# Altium PCB PCB1.PcbDoc
Units mil, origin at the board's own origin, x right, y up, seen from the top; angles counter-clockwise.
Board outline 4416 x 1070 mil, 4 copper layers (Top Layer, GND, VCC, Bottom Layer), stack 30.634 mil thick; 116 components, 80 nets, 446 pads, 149 vias.
Unrouted connection lines stored in the file: 9.
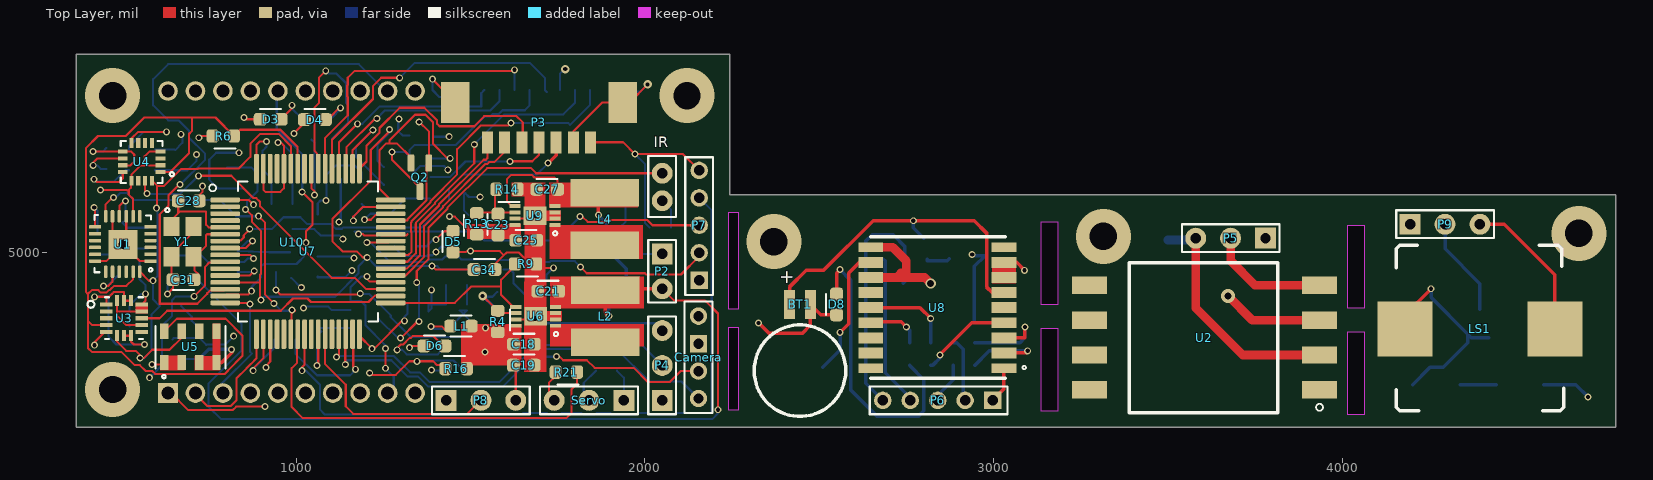
[diagram p0: Top Layer view]
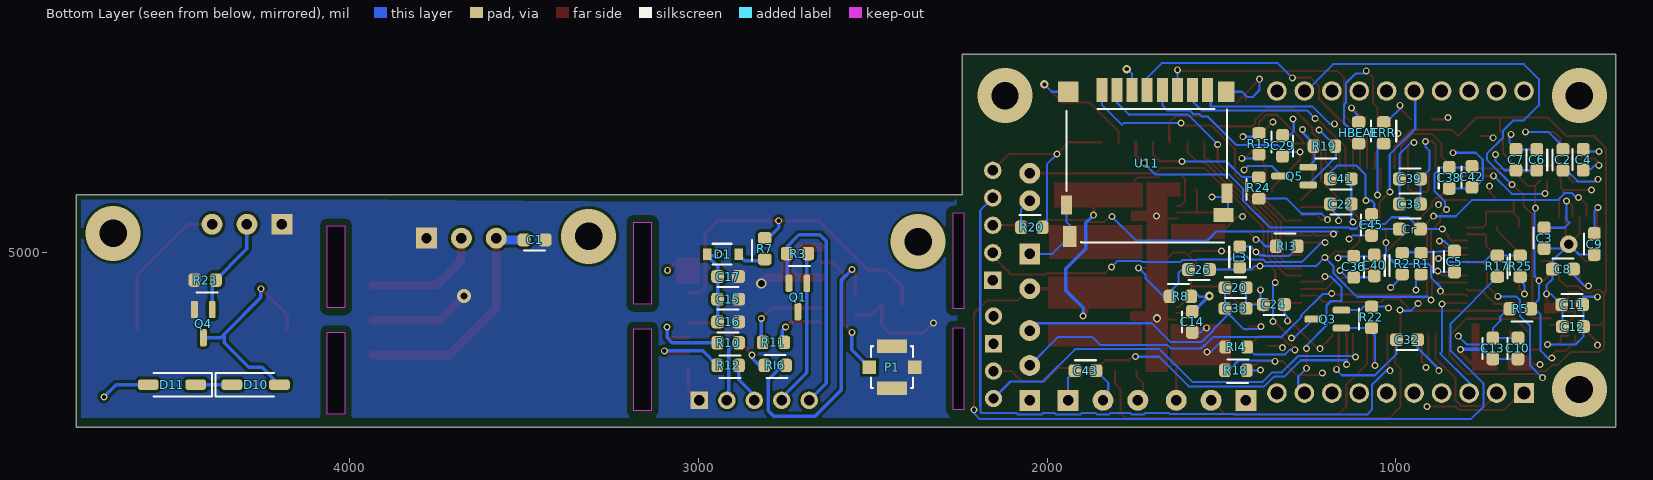
[diagram p1: Bottom Layer view, seen from below]
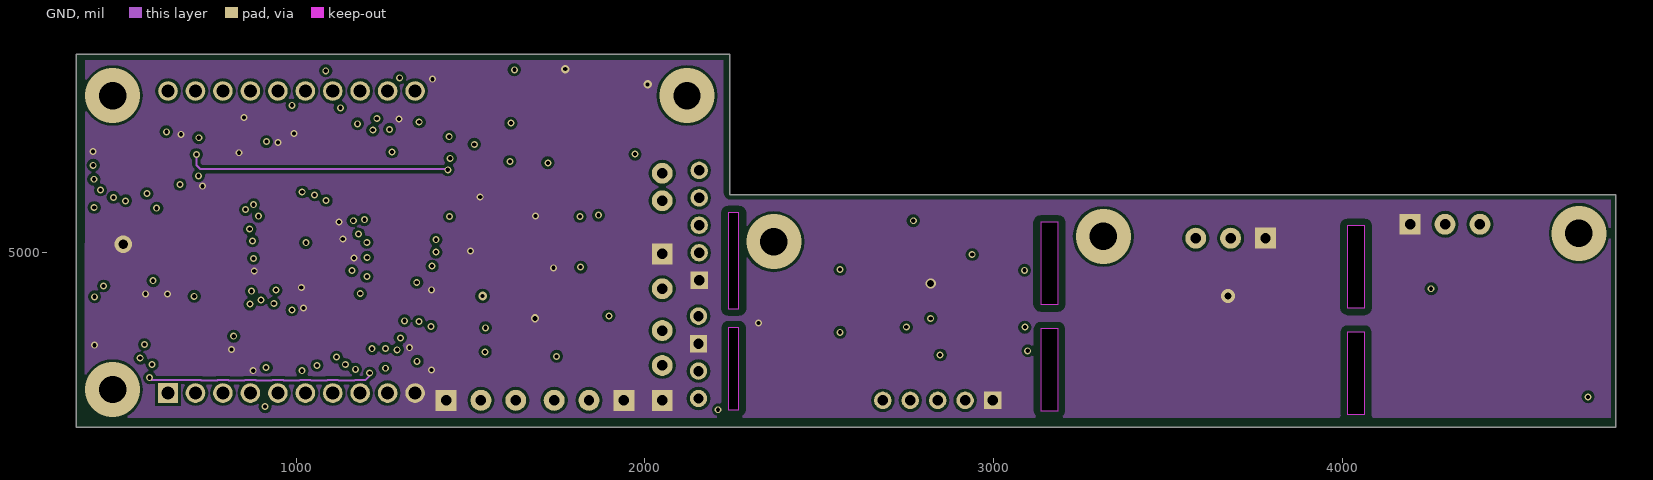
[diagram p2: GND]
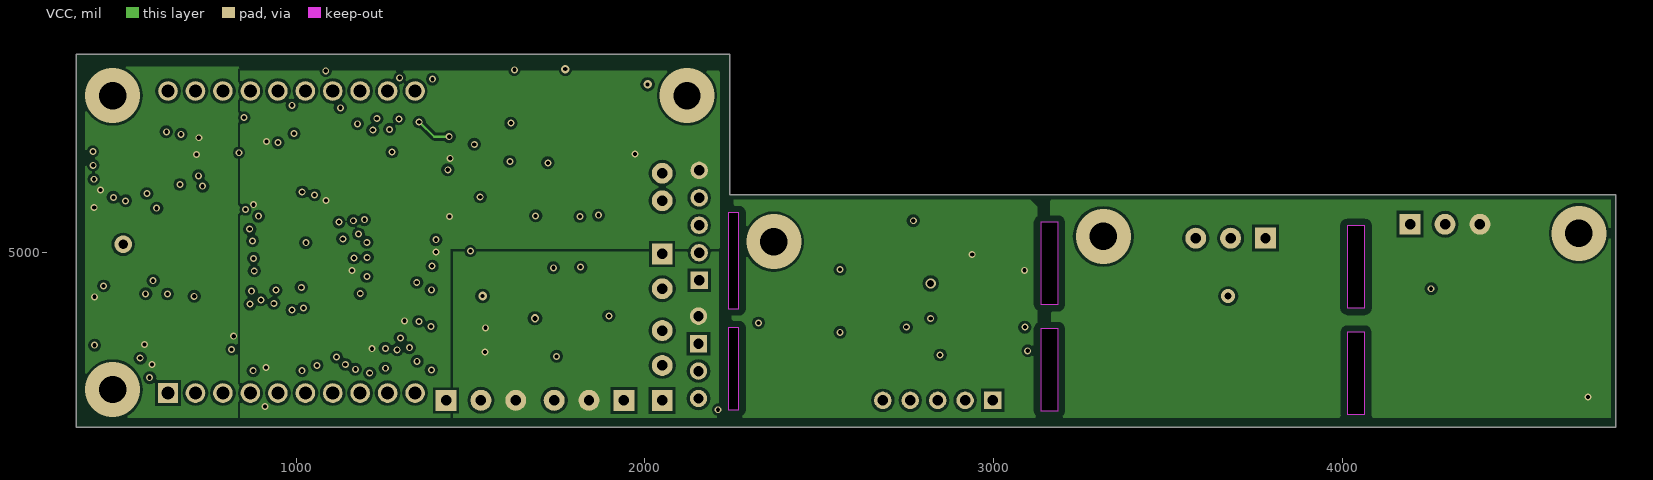
[diagram p3: VCC]
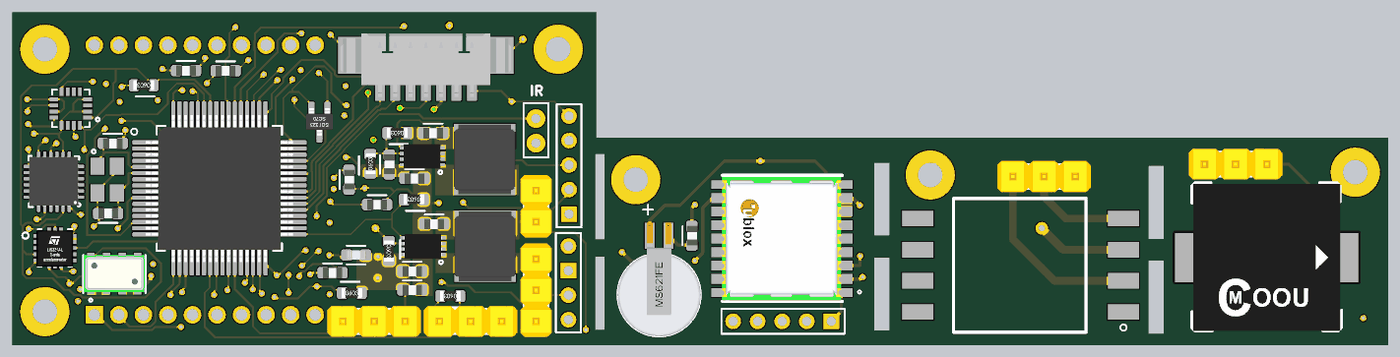
[diagram p4: 3D render of the assembled board from above, using the file's embedded part models]
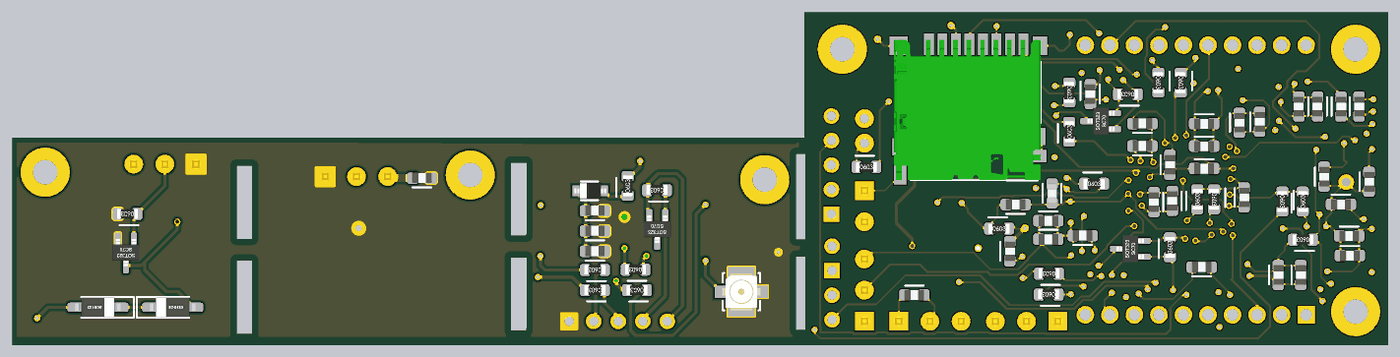
[diagram p5: 3D render of the assembled board from below, using the file's embedded part models]

## Layer stack, top to bottom
Top Solder: solder mask 0.4, Solder Resist, Dk 3.5
Top Layer: signal copper 1.4
Dielectric 1: core 10, FR-4, Dk 4.2
GND: signal copper 1.417
Dielectric 3: prepreg 5, FR-4, Dk 4.2
VCC: signal copper 1.417
Dielectric 2: core 10, FR-4, Dk 4.2
Bottom Layer: signal copper 1.4
Bottom Solder: solder mask 0.4, Solder Resist, Dk 3.5

## Board outline
369,4498 369,5568 2243,5568 2243,5165 4785,5165 4785,4498
cut-out: 2240,4838 2270,4838 2270,5113 2240,5113
cut-out: 2240,4548 2270,4548 2270,4783 2240,4783
cut-out: 3135,4545 3185,4545 3185,4780 3135,4780
cut-out: 3135,4850 3185,4850 3185,5085 3135,5085
cut-out: 4015,4840 4065,4840 4065,5075 4015,5075
cut-out: 4015,4535 4065,4535 4065,4770 4015,4770

## Design rules (kind name [scope] priority, off if disabled: settings)
AssemblyTestPointUsage SilkToBoardRegionClearance_1 [All] p2:
AssemblyTestPointUsage SilkToBoardRegionClearance_2 [All] p3:
BoardOutlineClearance [All] p1: gap=20
Clearance [All] p1: gap=6 except(8: Arc-Poly Track-Poly SMDPad-Poly THPad-Poly Via-Poly Fill-Poly Poly-Poly)
Height [All] p1: minheight=0 maxheight=4000 prefheight=500
HoleSize [All] p1: absolutevalues=TRUE maxlimit=250 minlimit=11.81 maxpercent=80.000 minpercent=20.000
MatchedLengths DiffPair_DIFF100MatchedLengths [InDifferentialPairClass('DIFF100')] p1: tolerance=6 checknetsindiffpair=TRUE checkdiffpairvsdiffpair=FALSE checkxsignals=FALSE checkothers=FALSE
MinimumSolderMaskSliver [All] p1: minsoldermaskwidth=3.94
MinimumSolderMaskSliver SilkscreenOverComponentPads_2 [All] p2: minsoldermaskwidth=10
MinimumSolderMaskSliver SilkToSolderMaskClearance_1 [IsPad] p3: minsoldermaskwidth=10
MinimumSolderMaskSliver SilkscreenOverComponentPads_1 [All] p4: minsoldermaskwidth=10
MinimumSolderMaskSliver SilkToSolderMaskClearance [IsPad] p5: minsoldermaskwidth=10
MinimumSolderMaskSliver SilkscreenOverComponentPads [All] p6: minsoldermaskwidth=10
PlaneConnect [All] p1: planeconnectstyle=Relief reliefexpansion=20 reliefentries=4 reliefconductorwidth=20 reliefairgap=20
PolygonConnect [All] p1: connectstyle=Direct reliefconductorwidth=10 reliefentries=4 polygonreliefangle="90 Angle" airgapwidth=10
RoutingVias [All] p1: holewidth=12 width=20 viastyle="Through Hole" minholewidth=12 minwidth=20 maxholewidth=400 maxwidth=400
SilkToSilkClearance [All] p1: silktosilkclearance=6
SilkToSolderMaskClearance SilkToSolderMaskClearance_2 [IsPad] p1: minsilkscreentomaskgap=6 clearancetoexposedcopper=TRUE
SolderMaskExpansion [All] p1: expansion=4
Width [All] p1: maxlimit=100 minlimit=6 preferedwidth=8
24 further rules are at their usual default settings.

## Components (designator, comment, footprint, x,y, rotation, side; value= is the part's Value field where it differs from the comment)
BT1 "Battery" "BAT ANTENNA MS621FE-FL11E" 2445,4850 r90 top
C1 "Cap Semi" CAP_0603 3470,5035 r180 bottom
C2 "Cap Semi" CAP_0603 520.84,5264.84 r270 bottom
C3 "Cap Semi" CAP_0603 575,5040 r270 bottom
C4 "Cap Semi" CAP_0603 463,5265 r270 bottom
C5 "Cap Semi" CAP_0603 832,4973 r270 bottom
C6 "Cap Semi" CAP_0603 595.84,5264.84 r90 bottom
C7 "Cap Semi" CAP_0603 655.84,5264.84 r90 bottom
C8 "Cap Semi" CAP_0603 521,4951.27 r0 bottom
C9 "Cap Semi" CAP_0603 431,5023.27 r270 bottom
C10 "Cap Semi" CAP_0603 650,4724 r270 bottom
C11 "Cap Semi" CAP_0603 494.5,4849.5 r0 bottom
C12 "Cap Semi" CAP_0603 492.5,4786.5 r0 bottom
C13 "Cap Semi" CAP_0603 722,4724 r270 bottom
C14 "Cap Semi" CAP_0603 1584,4800 r270 bottom
C15 "Cap Semi" CAP_0603 2915,4865 r180 bottom
C16 "Cap Semi" CAP_0603 2915,4800 r180 bottom
C17 "Cap Semi" CAP_0603 2915,4930 r180 bottom
C18 "Cap Semi" CAP_0603 1653,4736 r180 top
C19 "Cap Semi" CAP_0603 1653,4676 r180 top
C20 "Cap Semi" CAP_0603 1460,4898 r0 bottom
C21 "Cap Semi" CAP_0603 1723,4888 r180 top
C22 "Cap Semi" CAP_0603 1158,5138 r180 bottom
C23 "Cap Semi" CAP_0603 1579,5079 r270 top
C24 "Cap Semi" CAP_0603 1350,4850 r180 bottom
C25 "Cap Semi" CAP_0603 1660,5034 r180 top
C26 "Cap Semi" CAP_0603 1565,4950 r180 bottom
C27 "Cap Semi" CAP_0603 1720,5180 r180 top
C28 "Cap Semi" CAP_0603 692,5147 r180 top
C29 "Cap Semi" CAP_0603 1325,5305 r90 bottom
C31 "Cap Semi" CAP_0603 677,4921 r0 top
C32 "Cap Semi" CAP_0603 968,4749 r180 bottom
C33 "Cap Semi" CAP_0603 1460,4839 r0 bottom
C34 "Cap Semi" CAP_0603 1540,4950 r180 top
C35 "Cap Semi" CAP_0603 960,5138 r0 bottom
C36 "Cap Semi" CAP_0603 1121,4958 r90 bottom
C38 "Cap Semi" CAP_0603 847,5213 r270 bottom
C39 "Cap Semi" CAP_0603 960,5210 r0 bottom
C40 "Cap Semi" CAP_0603 1062,4962 r90 bottom
C41 "Cap Semi" CAP_0603 1158,5210 r180 bottom
C42 "Cap Semi" CAP_0603 782,5216 r270 bottom
C43 "Cap Semi" CAP_0603 1890,4660 r0 bottom
C45 "Cap Semi" CAP_0603 1070,5078 r270 bottom
Camera "Camera Connector" "HEADER 4 CAMERA" 2154,4659 r270 top
Cr "Cap Semi" CAP_0603 960,5066 r0 bottom
D1 "" "DIODE(SOD-323 )" 2930,4994 r180 bottom
D3 "LED2" CAP_0603 927,5381 r180 top
D4 "LED2" CAP_0603 1054,5380 r180 top
D5 "LED2" CAP_0603 1450,5030 r270 top
D6 "LED2" CAP_0603 1397,4731 r180 top
D8 "LED2" CAP_0603 2550,4850 r270 top
D10 "D Zener" SOD3715X135M 4270,4620 r180 bottom
D11 "D Zener" SOD3715X135M 4510,4620 r0 bottom
ERR "Res3" RES_0603 1035,5342 r270 bottom (schematic designator Rl1)
HBEAT "Res3" RES_0603 1107,5342 r270 bottom (schematic designator Rl2)
IR "IR" "HEADER 2 JUMPER" 2050,5226.18 r90 top (schematic designator IR1)
L1 "Inductor" "INDUCTOR BLM" 1473,4788 r180 top
L2 "Inductor" "INDUCTOR LQH55D" 1887,4816 r270 top
L3 "Inductor" "INDUCTOR BLM" 1448,4986 r270 bottom
L4 "Inductor" "INDUCTOR LQH55D" 1885,5095 r270 top
LS1 "Buzzer" BUZZER 4395,4780 r0 top
P1 "COAX-M" "SMA CONNECTOR" 2435,4670 r270 bottom
P2 "Bat/Switch Con" BAT 2045,4930 r270 top
P3 "SWD" MOLEX_Debug_Con 1795,5315 r180 top
P4 "MPXV7002_CON" "Header 3 Servo" 2050,4675 r90 top
P5 "MPXV7002_CON" "Header 3 Servo" 3680,5040 r180 top
P6 "Header 5" "HEADER 5 GPS" 2840,4575 r180 top
P7 "Header 5" "HEADER 5 GPS" 2156,5077 r90 top
P8 "Header 3" "Header 3 Servo" 1530,4575 r0 top
P9 "Header 3" "Header 3 Servo" 4295,5080 r0 top
Q1 "MOSFET-P" "P-MOS (SOT323)" 2715,4870 r0 bottom
Q2 "MOSFET-P" "P-MOS (SOT323)" 1355,5215 r180 top
Q3 "MOSFET-N" "N-MOS (SOT323)" 1197,4808 r90 bottom
Q4 "MOSFET-N" "P-MOS (SOT323)" 4420,4795 r0 bottom
Q5 "MOSFET-P" "P-MOS (SOT323)" 1292,5218 r90 bottom
R1 "Res3" RES_0603 928,4967 r270 bottom
R2 "Res3" RES_0603 982,4967 r90 bottom
R3 "Res3" RES_0603 2716,4996 r0 bottom
R4 "Res3" RES_0603 1578,4801 r270 top
R5 "Res3" RES_0603 643,4837 r0 bottom
R6 "Res3" RES_0603 791,5333 r180 top
R7 "Res3" RES_0603 2810,5010 r90 bottom
R8 "Res3" RES_0603 1618,4873 r180 bottom
R9 "Res3" RES_0603 1658,4966 r180 top
R10 "Res3" RES_0603 2915,4740 r0 bottom
R11 "Res3" RES_0603 2785,4741 r0 bottom
R12 "Res3" RES_0603 2915,4675 r0 bottom
R13 "Res3" RES_0603 1518,5081 r90 top
R14 "Res3" RES_0603 1605,5180 r180 top
R15 "Res3" RES_0603 1392.59,5310.41 r270 bottom
R16 "Res3" RES_0603 1459,4666 r0 top
R17 "Res3" RES_0603 708.81,4960 r270 bottom
R18 "Res3" RES_0603 1459,4661 r0 bottom
R19 "Res3" RES_0603 1205,5304 r0 bottom
R20 "Res3" RES_0603 2044,5071 r180 bottom
R21 "Res3" RES_0603 1775,4656 r180 top
R22 "Res3" RES_0603 1070,4813 r90 bottom
R23 "Res3" RES_0603 4415,4920 r0 bottom
R24 "Res3" RES_0603 1393,5184 r90 bottom
R25 "Res3" RES_0603 643.81,4960 r90 bottom
Rl3 "Res3" RES_0603 1313,5017 r180 bottom
Rl4 "Res3" RES_0603 1458,4728 r0 bottom
Rl6 "Res3" RES_0603 2780,4675 r0 bottom
Servo "Servo_Con" "HEADER 3 SERVO" 1840,4575 r180 top
U1 "MPU6050" MPU6050 503,5023.27 r180 top
U2 "MPXV7002" SOP8_MPXV7002(PRIMARY) 3605,4705 r0 top
U3 "H3LIS331DL" H3LIS_HIGH_G 506.5,4810.5 r0 top
U4 "HMC5883L" HMC5883L 557.11,5258.84 r180 top
U5 "MS5611-01BA03" MS561101BA03-50 697,4728 r90 top
U6 "LTC3539-2" LTC3539-2 1687,4816 r180 top
U7 "STM32F405" "MICROCONTROLLER (LQFP)" 1034,5002 r270 top
U8 "MAX-M8W" MAX-M8W 2648,5014 r0 top
U9 "LTC3539-2" LTC3539-2 1685,5105 r180 top
U10 "XBEE Pro Series 1" "XBEE DIP-20" 987,5029 r0 top
U11 "microSD" HIROSE_DM3DSF 1540,5465 r0 bottom
Y1 "Crystal" XTAL_TSX_3225 674,5030 r270 top

## Footprints (in the part's own frame and the unit in brackets; to place one, negate y for a bottom-side part, rotate by r counter-clockwise, add the part's x,y. Pads: shape width x height; smd on the part's side, far side on the other; paste and mask are expansions set on the pad)
BAT [mil]
  rect 60x60 hole 30: 1(-65,5)
  round 60 hole 30: 2(35,5)
  silkscreen extent -105,-35 75,45, body extent -115,-45 85,55, height 374
"BAT ANTENNA MS621FE-FL11E" [mm]
  rect 2.1x0.8 smd: 1(0,0.762) 2(0,-0.762)
  silkscreen extent -8.16,-3.33 -1.5,3.33, body extent -8.23,-3.4 1.07,3.4, height 2.65
BUZZER [mm]
  rect 4x4 smd mask+0.2: 1(-5.461,0) 2(5.461,0)
  silkscreen extent -6.1,-5.97 6.1,6.1, body extent -6,-6 6,6, height 3.07
CAP_0603 [mm]
  rrect49% 0.94x0.93 smd: 1(-0.762,0) 2(0.762,0)
  silkscreen extent -0.76,-0.76 0.76,-0.76, body extent -0.8,-0.41 0.8,0.45, height 0.43
"DIODE(SOD-323 )" [mm]
  rect 0.63x0.86 smd: 1(-1.143,0) 2(1.143,0)
  silkscreen extent -0.76,-0.76 0.64,0.76, body extent -1.3,-0.67 1.3,0.68, height 1.1
H3LIS_HIGH_G [mm]
  rect 0.925x0.3 smd paste-25.4 mask-25.4: 1(-1.287,1) 2(-1.287,0.5) 3(-1.287,0) 4(-1.287,-0.5) 5(-1.287,-1) 9(1.288,-1) 10(1.288,-0.5) 11(1.288,0) 12(1.288,0.5) 13(1.288,1)
  rect 0.3x0.8 smd paste-25.4 mask-25.4: 6(-0.5,-1.275) 7(0,-1.275) 8(0.5,-1.275) 14(0.5,1.275) 15(0,1.275) 16(-0.5,1.275)
  silkscreen extent -2.67,-1.52 1.4,1.52, body extent -1.5,-1.53 1.5,1.47, height 1.01
"HEADER 2 JUMPER" [mil]
  round 60 hole 30: 1(-78.74,0) 2(0,0)
  silkscreen extent -125,-40 50,40
"Header 3 Servo" [mil]
  rect 60x60 hole 30: 1(-100,0)
  round 60 hole 30: 2(0,0) 3(100,0)
  silkscreen extent -140,-40 140,40, body extent -150,-50 150,50, height 378
"HEADER 3 SERVO" [mil]
  rect 60x60 hole 30: 1(-100,0)
  round 60 hole 30: 2(0,0) 3(100,0)
  silkscreen extent -140,-40 140,40, body extent -150,-50 150,50, height 378
"HEADER 4 CAMERA" [mil]
  round 50 hole 30: 1(-157.48,0) 3(0,0) 4(78.74,0)
  rect 50x50 hole 30: 2(-78.74,0)
  silkscreen extent -200,-40 120,40
"HEADER 5 GPS" [mil]
  rect 50x50 hole 30: 1(-157.48,0)
  round 50 hole 30: 2(-78.74,0) 3(0,0) 4(78.74,0) 5(157.48,0)
  silkscreen extent -200,-40 195,40
HIROSE_DM3DSF [mm]
  rect 0.8x1.75 smd mask+0.089: 1(0,0) 2(1.1,0) 3(2.2,0) 4(3.3,0) 5(4.4,0) 6(5.5,0) 7(6.6,0) 8(7.7,0)
  rect 1.5x1.5 smd: 9(10.16,0.127)
  rect 0.8x1.4 smd: 10(10.287,8.382) 13(-1.397,7.518)
  rect 1x1.55 smd paste-25.4 mask-25.4: 11(10.033,10.668)
  rect 1.45x1 smd paste-25.4 mask-25.4: 12(-1.15,9.112)
  rect 1.2x1.5 smd mask+0.089: 14(-1.346,0.127)
  silkscreen extent -1.42,1.4 10.29,11.1, body extent -1.4,-0.38 10.55,11.07, height 1.55
HMC5883L [mm]
  rect 0.7x0.3 smd paste-25.4 mask-25.4: 1(-1.375,0.75) 2(-1.375,0.25) 3(-1.375,-0.25) 4(-1.375,-0.75) 9(1.375,-0.75) 10(1.375,-0.25) 11(1.375,0.25) 12(1.375,0.75)
  rect 0.3x0.7 smd paste-25.4 mask-25.4: 5(-0.75,-1.375) 6(-0.25,-1.375) 7(0.25,-1.375) 8(0.75,-1.375) 13(0.75,1.375) 14(0.25,1.375) 15(-0.25,1.375) 16(-0.75,1.375)
  silkscreen extent -2.35,-1.52 1.52,1.52
"INDUCTOR BLM" [mm] "Inductor, Chip; 1.60 mm L X 0.80 mm W X 0.90 mm H body"
  rrect51% 0.91x0.93 smd: 1(-0.762,0) 2(0.762,0)
  silkscreen extent -0.76,-0.76 0.76,0.76, body extent -0.8,-0.4 0.8,0.4, height 1
"INDUCTOR LQH55D" [mm]
  rect 2x5 smd: 1(-1.905,0) 2(1.905,0)
  body extent -2.85,-2.5 2.85,2.5, height 4.7
LTC3539-2 [mil]
  rect 32x11 smd paste-1000 mask-1000: 1(-57,27) 2(-57,9) 3(-57,-9) 4(-57,-27) 5(57,-27) 6(57,-9) 7(57,9) 8(57,27)
  rect 65x53 smd paste-1000 mask-1000: 9(0,0)
  silkscreen extent -64,45 -52,57, body extent -61,-39 61,39, height 30
MAX-M8W [mm]
  rect 1.8x0.7 smd mask+0.089: 1(9.7,-8.8) 9(9.7,0) 10(0,0) 18(0,-8.8)
  rect 1.8x0.8 smd mask+0.089: 2(9.7,-7.7) 3(9.7,-6.6) 4(9.7,-5.5) 5(9.7,-4.4) 6(9.7,-3.3) 7(9.7,-2.2) 8(9.7,-1.1) 11(0,-1.1) 12(0,-2.2) 13(0,-3.3) 14(0,-4.4) 15(0,-5.5) 16(0,-6.6) 17(0,-7.7)
  silkscreen extent 0,-9.53 11.3,0.76, body extent -0.02,-9.46 9.68,0.64, height 2.47
"MICROCONTROLLER (LQFP)" [mm] "Quad Flat Pack (QFP), 0.50 mm pitch; square, 16 pin X 16 pin, 10.00 mm L X 10.00 mm W X 1.20 mm H body"
  rrect53% 0.34x2.15 smd: 1(-3.75,-6.03) 2(-3.25,-6.03) 3(-2.75,-6.03) 4(-2.25,-6.03) 5(-1.75,-6.03) 6(-1.25,-6.03) 7(-0.75,-6.03) 8(-0.25,-6.03) 9(0.25,-6.03) 10(0.75,-6.03) 11(1.25,-6.03) 12(1.75,-6.03) 13(2.25,-6.03) 14(2.75,-6.03) 15(3.25,-6.03) 16(3.75,-6.03) 33(3.75,6.03) 34(3.25,6.03) 35(2.75,6.03) 36(2.25,6.03) 37(1.75,6.03) 38(1.25,6.03) 39(0.75,6.03) 40(0.25,6.03) 41(-0.25,6.03) 42(-0.75,6.03) 43(-1.25,6.03) 44(-1.75,6.03) 45(-2.25,6.03) 46(-2.75,6.03) 47(-3.25,6.03) 48(-3.75,6.03)
  rrect53% 2.15x0.34 smd: 17(6.03,-3.75) 18(6.03,-3.25) 19(6.03,-2.75) 20(6.03,-2.25) 21(6.03,-1.75) 22(6.03,-1.25) 23(6.03,-0.75) 24(6.03,-0.25) 25(6.03,0.25) 26(6.03,0.75) 27(6.03,1.25) 28(6.03,1.75) 29(6.03,2.25) 30(6.03,2.75) 31(6.03,3.25) 32(6.03,3.75) 49(-6.03,3.75) 50(-6.03,3.25) 51(-6.03,2.75) 52(-6.03,2.25) 53(-6.03,1.75) 54(-6.03,1.25) 55(-6.03,0.75) 56(-6.03,0.25) 57(-6.03,-0.25) 58(-6.03,-0.75) 59(-6.03,-1.25) 60(-6.03,-1.75) 61(-6.03,-2.25) 62(-6.03,-2.75) 63(-6.03,-3.25) 64(-6.03,-3.75)
  silkscreen extent -5.1,-7.2 5.1,5.1, body extent -6,-6 6,6, height 1.56
MOLEX_Debug_Con [mm]
  rect 0.8x1.6 smd: 1(-1.25,0) 2(0,0) 3(1.25,0) 4(2.5,0) 5(3.75,0) 6(5,0) 7(6.25,0)
  rect 2.1x3 smd: 2(-3.6,-2.9) 2(8.6,-2.9)
  body extent -4.45,-4.7 9.45,0.5, height 3.4
MPU6050 [mm] "Quad Flat No-Lead (QFN with Tab), 0.50 mm pitch; square, 6 pin X 6 pin, 4.00 mm L X 4.00 mm W X 0.95 mm H body"
  rrect54% 0.89x0.26 smd mask+0.114: 1(-2.02,1.25) 6(-2.02,-1.25) 13(2.02,-1.25) 18(2.02,1.25)
  rrect54% 0.89x0.26 smd mask+0.127: 2(-2.02,0.75) 3(-2.02,0.25) 4(-2.02,-0.25) 5(-2.02,-0.75) 14(2.02,-0.75) 15(2.02,-0.25) 16(2.02,0.25) 17(2.02,0.75)
  rrect54% 0.26x0.89 smd mask+0.114: 7(-1.25,-2.02) 12(1.25,-2.02) 19(1.25,2.02) 24(-1.25,2.02)
  rrect54% 0.26x0.89 smd mask+0.127: 8(-0.75,-2.02) 9(-0.25,-2.02) 10(0.25,-2.02) 11(0.75,-2.02) 20(0.75,2.02) 21(0.25,2.02) 22(-0.25,2.02) 23(-0.75,2.02)
  rect 2.108x2.108 smd: 25(-0.025,0.025)
  silkscreen extent -2.16,-2.1 2.08,2.06, body extent -2.01,-2.07 2.03,1.97, height 0.88
MS561101BA03-50 [mm]
  rect 1.1x0.6 smd: 1(-1.143,1.905) 2(-1.143,0.635) 3(-1.143,-0.635) 4(-1.143,-1.905) 5(1.143,-1.905) 6(1.143,-0.635) 7(1.143,0.635) 8(1.143,1.905)
  silkscreen extent -2.29,-2.54 1.52,2.54, body extent -1.49,-2.51 1.51,2.49, height 1
"N-MOS (SOT323)" [mm] "Small Outline Transistor (SOT23), 0.65 mm pitch; 3 pin, 0.95 mm L X 1.25 mm W X 1.00 mm H body"
  rrect52% 0.5x1.27 smd: 1(-0.65,-1.03) 2(0.65,-1.03) 3(0,1.03)
  body extent -1.1,-1.12 1.1,1.12, height 1.1
"P-MOS (SOT323)" [mm]
  rrect52% 0.5x1.27 smd: 1(-0.65,-1.03) 2(0.65,-1.03) 3(0,1.03)
  body extent -1.1,-1.15 1.1,1.1, height 1.1
RES_0603 [mm] "Resistor, Chip; 1.60 mm L X 0.85 mm W X 0.55 mm H body"
  rrect51% 0.87x0.98 smd: 1(-0.78,0) 2(0.78,0)
  silkscreen extent -0.89,0.91 0.64,0.91, body extent -0.85,-0.42 0.85,0.38, height 0.56
"SMA CONNECTOR" [mm]
  rect 1x1 smd: 1(0,-1.905) 3(0,1.397)
  rect 1x2.2 smd: 2(-1.524,-0.254) 4(1.524,-0.254)
  silkscreen extent -1.52,-1.78 1.52,1.27, body extent -1.5,-1.8 1.5,1.3, height 1.3
SOD3715X135M [mm] "Small Outline Diode (SOD); 2.70 mm L X 1.55 mm W X 1.35 mm H body"
  rrect50% 1.51x0.76 smd: 1(1.73,0) 2(-1.73,0)
  silkscreen extent -2.92,-0.85 1.35,0.85, body extent -1.85,-0.8 1.85,0.8, height 1.27
SOP8_MPXV7002(PRIMARY) [mil]
  rect 100x50 smd paste-1000 mask-1000: 1(330,-100) 2(330,0) 3(330,100) 4(330,200) 5(-330,200) 6(-330,100) 7(-330,0) 8(-330,-100)
  silkscreen extent -215,-165 340,265
"XBEE DIP-20" [mm] "DIPS, 22.00 mm lead span, 2.00 mm pitch; 20 pin, 27.31 mm L X 22.38 mm W X 7.00 mm H body"
  rect 1.43x1.43 hole 0.95 paste-1.43: 1(-9,-11)
  round 1.43 hole 0.95 paste-1.43: 2(-7,-11) 3(-5,-11) 4(-3,-11) 5(-1,-11) 6(1,-11) 7(3,-11) 8(5,-11) 9(7,-11) 10(9,-11) 11(9,11) 12(7,11) 13(5,11) 14(3,11) 15(1,11) 16(-1,11) 17(-3,11) 18(-5,11) 19(-7,11) 20(-9,11)
XTAL_TSX_3225 [mm] "Crystal, Dual Flat No-Lead (DFN 4 Pins), 2.00 mm pitch; 4 pin, 3.20 mm L X 2.50 mm W X 0.60 mm H body"
  rect 1.4x1.15 smd: 1(-1.1,-0.8) 2(1.1,-0.8) 3(1.1,0.8) 4(-1.1,0.8)
  silkscreen extent -2.45,-1.25 -2.15,-0.95

## Part data
BT1: "Multicell Battery"
C1 C2 C3 C4 C5 C6 C7 C8 C9 C10 C11 C12 C13 C14 C15 C16 C17 C18 C19 C20 C21 C22 C23 C24 C25 C26 C27 C28 C29 C31 C32 C33 C34 C35 C36 C38 C39 C40 C41 C42 C43 C45 Cr: "Capacitor (Semiconductor SIM Model)"
Camera: library part "Header 4", "Header, 4-Pin"
D1: library part Diode, "Default Diode"
D3 D4 D5 D6 D8: "Typical RED, GREEN, YELLOW, AMBER GaAs LED"
D10 D11: "Zener Diode"
ERR HBEAT R1 R2 R3 R4 R5 R6 R7 R8 R9 R10 R11 R12 R13 R14 R15 R16 R17 R18 R19 R20 R21 R22 R23 R24 R25 Rl3 Rl4 Rl6: "Resistor"
IR: library part Res
LS1: "Magnetic Transducer Buzzer"
P1: "RF Coaxial PCB Connector, MMCX; Thru-Hole, Vertical Mount Plug,  50 Ohm Impedance"
P2: library part "Header 2", "Header, 2-Pin"
P4 P5: library part "Header 3", "Header, 3-Pin"
P6 P7: "Header, 5-Pin"
P8 P9: "Header, 3-Pin"
Q1 Q2 Q5: "P-Channel MOSFET"
Q3 Q4: "N-Channel MOSFET"
U3: "High g accelerometer"
U6 U9: library part LTC3539
U8: library part MAX-M8

## Via types
v1: diameter 20, hole 12, Top Layer to Bottom Layer, 136 vias
v2: diameter 157.48, hole 78.74, Top Layer to Bottom Layer, 6 vias
v3: diameter 24, hole 12, Top Layer to Bottom Layer, 2 vias
v4: diameter 25, hole 12, Top Layer to Bottom Layer, 1 vias
v5: diameter 40, hole 20, Top Layer to Bottom Layer, 1 vias
v6: diameter 30, hole 20, Top Layer to Bottom Layer, 1 vias
v7: diameter 24, hole 14, Top Layer to Bottom Layer, 1 vias
v8: diameter 50, hole 28, Top Layer to Bottom Layer, 1 vias
